# Altium PCB SSTelescope.PcbDoc
Units mm, origin at the board's own origin, x right, y up, seen from the top; angles counter-clockwise.
Board outline 100.1 x 50.1 mm, 2 copper layers (Top Layer, Bottom Layer); 68 components, 82 nets, 332 pads, 87 vias.
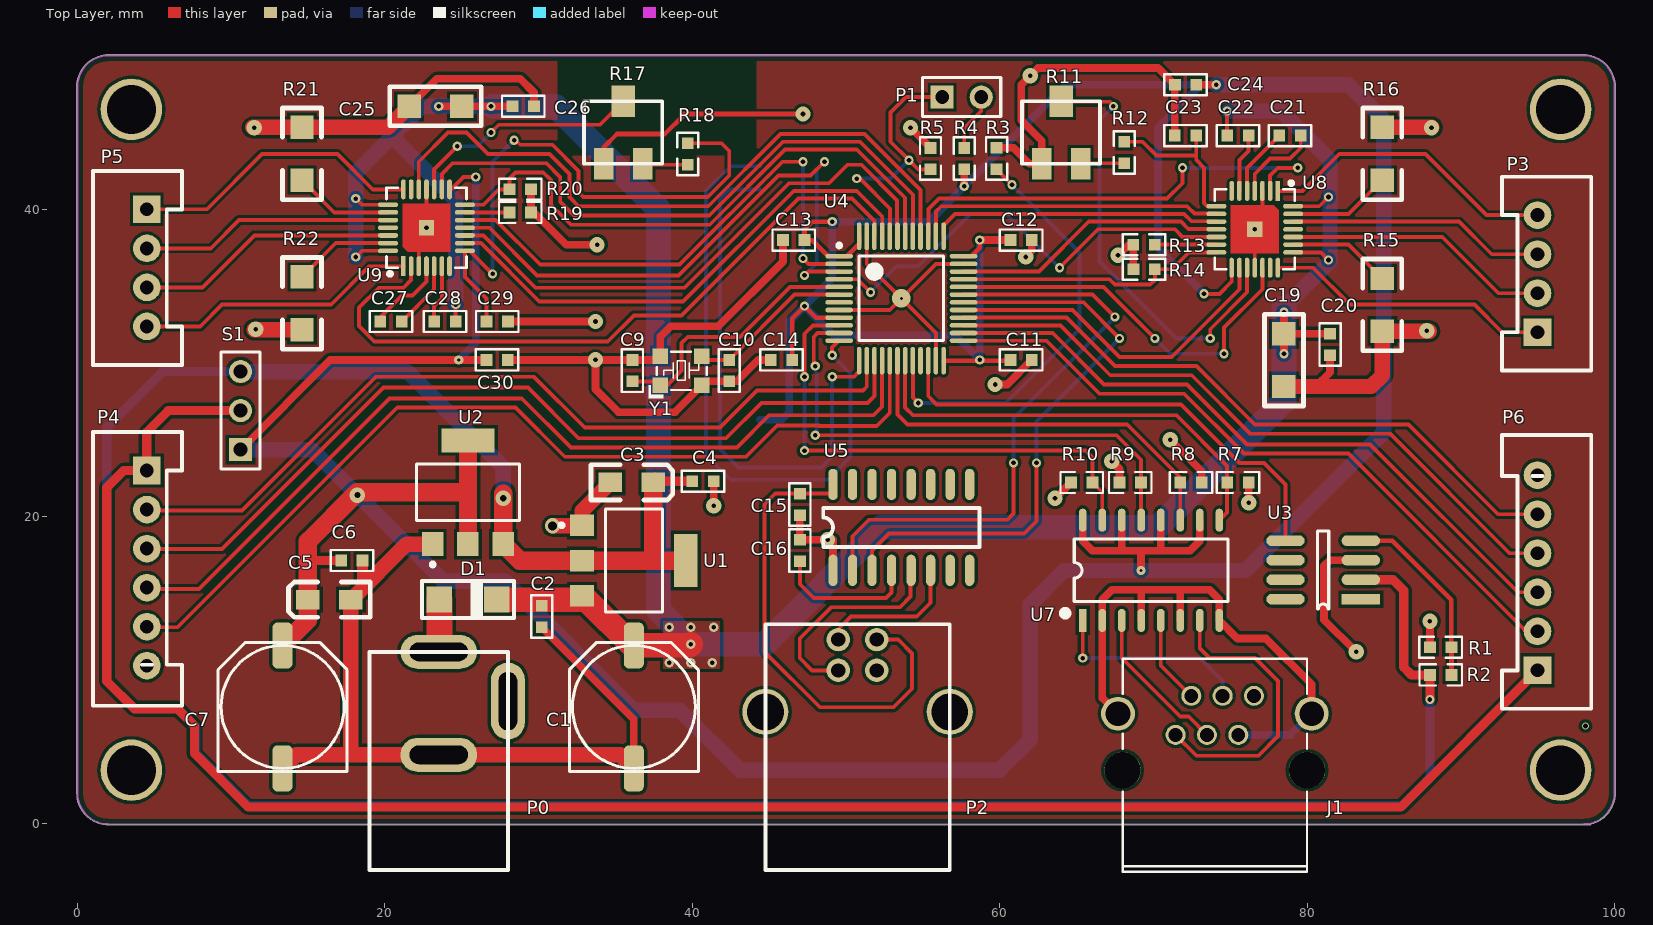
[diagram p0: Top Layer view]
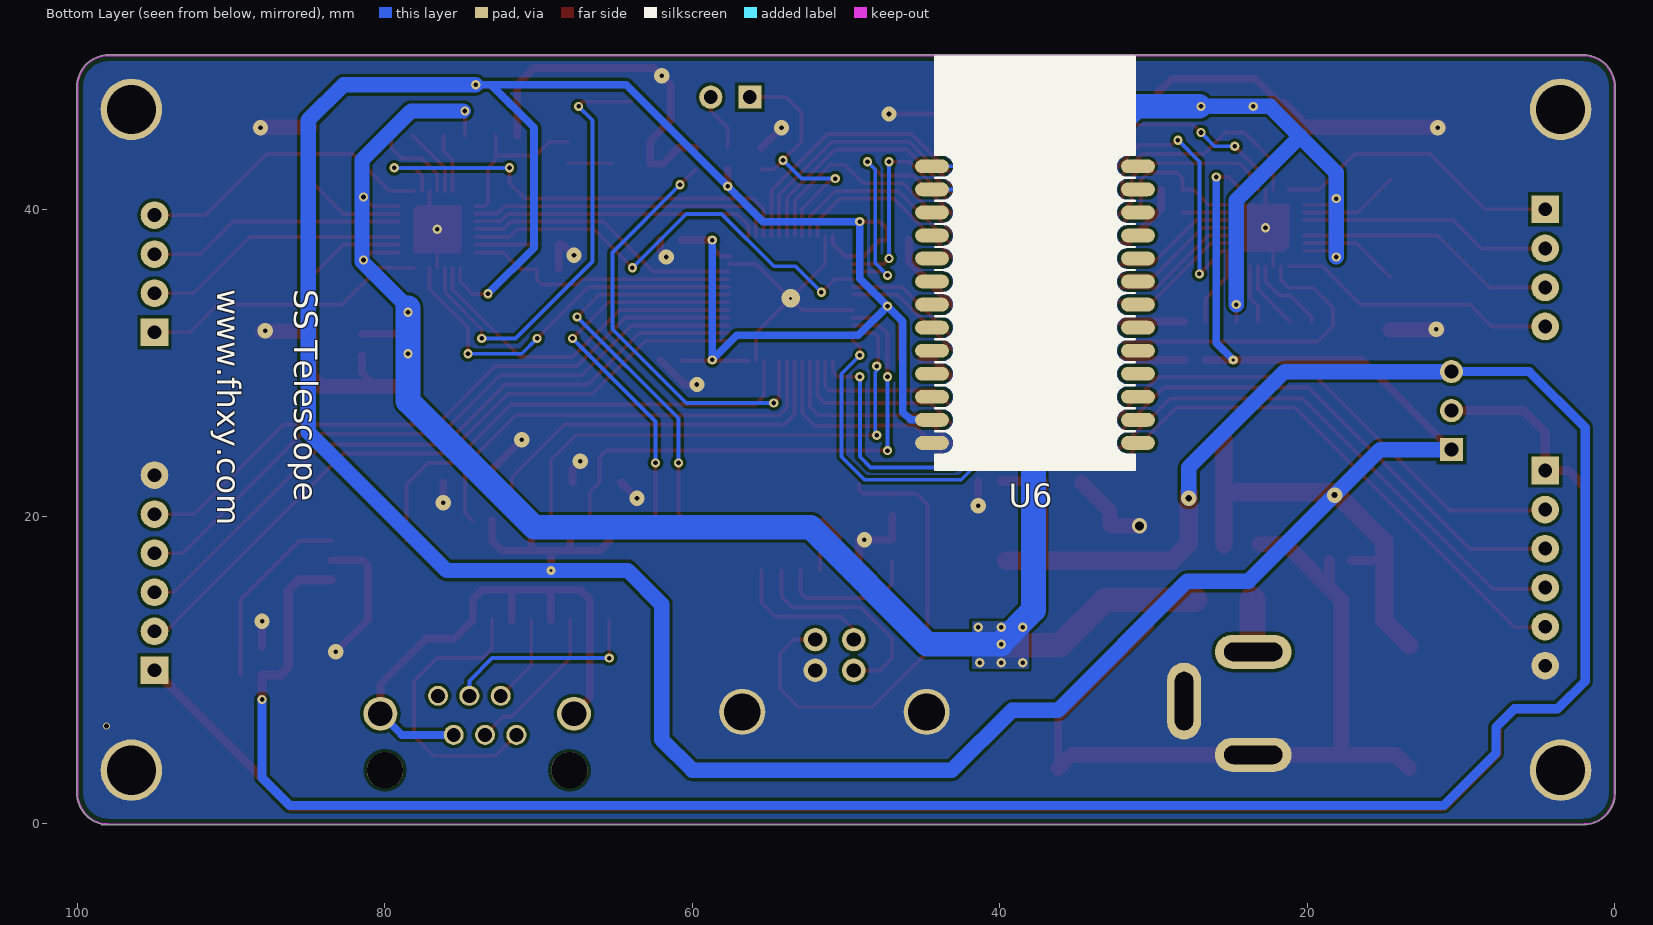
[diagram p1: Bottom Layer view, seen from below]

## Layer stack, top to bottom
Top Solder: solder mask 0.0102, Solder Resist, Dk 3.5
Top Layer: signal copper 0.0356
Dielectric1: dielectric 0.32, FR-4, Dk 4.8
Bottom Layer: signal copper 0.0356
Bottom Solder: solder mask 0.0102, Solder Resist, Dk 3.5

## Board outline
-0.05,2 ccw(c2,2) 2,-0.05 ccw(c2,0) 2,-0.05 98.425,-0.053 ccw(c98.425,-0.003) 98.475,-0.003 ccw(c98.425,-0.003) 98.475,0.005 ccw(c98,2) 100.05,2 ccw(c100,2) 100.05,2.001 100.05,48 ccw(c98,48) 98,50.05 2,50.05 ccw(c2,48) -0.05,48

## Design rules (kind name [scope] priority, off if disabled: settings)
Clearance keepout [IsKeepOut] p1: gap=0.3
Clearance U8 [InComponent('U8')] p2: gap=0.2
Clearance U4 [InComponent('U4')] p3: gap=0.2
Clearance [All] p4: gap=0.2
ComponentClearance [All] p1 off: gap=0.254 collisioncheckmode=3 verticalgap=0.254 showdistances=FALSE
DiffPairsRouting [All] p1: maxlimit=0.3 minlimit=0.3 mostfreqgap=0.3 toplayer_minwidth=0.2 toplayer_maxwidth=0.2 toplayer_prefwidth=0.2 bottomlayer_minwidth=0.2 bottomlayer_maxwidth=0.2 bottomlayer_prefwidth=0.2 maxuncoupledlength=12.7
Height [All] p1 off: minheight=0 maxheight=25.4 prefheight=12.7
HoleSize [All] p1 off: absolutevalues=TRUE maxlimit=2.54 minlimit=0.025 maxpercent=80.000 minpercent=20.000
HoleToHoleClearance [All] p1 off: gap=0.254 allowstackedmicrovias=TRUE
LayerPairs [All] p1 off: enforce=TRUE
MinimumSolderMaskSliver [All] p1 off: minsoldermaskwidth=0.254
NetAntennae [All] p1 off: netantennaetolerance=0
PlaneConnect [All] p1: planeconnectstyle=Direct reliefexpansion=0.508 reliefentries=4 reliefconductorwidth=0.254 reliefairgap=0.254
PolygonConnect [All] p1: connectstyle=Direct reliefconductorwidth=0.254 reliefentries=4 polygonreliefangle="90 Angle" airgapwidth=0.254
RoutingVias [All] p1: holewidth=0.5 width=0.8 viastyle="Through Hole" minholewidth=0.3 minwidth=0.5 maxholewidth=0.5 maxwidth=0.8
SilkToSilkClearance [All] p1 off: silktosilkclearance=0.254
SilkToSolderMaskClearance [IsPad] p1 off: minsilkscreentomaskgap=0.254 clearancetoexposedcopper=TRUE
SolderMaskExpansion [All] p1: expansion=0.102
Width [All] p1: maxlimit=3 minlimit=0.2 preferedwidth=0.25
18 further rules are at their usual default settings.

## Classes and differential pairs
component class PartA: C1 C2 C3 C4 C5 C6 C7 C9 C10 C11 C12 C13 C14 D1 K1 P0 P1 R1 R2 R3 R4 R5 U1 U2 U3 U4 Y1 Y2
component class PartB: C15 C16 C31 C33 C34 C35 C36 C37 C38 J1 P2 P7 R7 R8 R9 R10 U5 U6 U7 U10 U11
component class PartC: C19 C20 C21 C22 C23 C24 C25 C26 C27 C28 C29 C30 P3 P4 P5 P6 R11 R12 R13 R14 R15 R16 R17 R18 R19 R20 R21 R22 S1 U8 U9

## Components (designator, comment, footprint, x,y, rotation, side; value= is the part's Value field where it differs from the comment)
C1 "470uF" CAP8 36.195,7.62 r270 top locked
C2 "100nF" 0603C 30.2,12.8 r90 top
C3 "10uF" 3216 37.465,22.225 r0 top
C4 "100nF" 0603C 41.4,22.3 r180 top
C5 "10uF" 3216 14.986,14.605 r180 top
C6 "100nF" 0603C 18.542,17.145 r180 top
C7 "1000uF" CAP8 13.335,7.62 r270 top locked
C9 "20pF" 0603C 36.1,28.803 r90 top
C10 "20pF" 0603C 42.4,30.2 r270 top
C11 "100nF" 0603C 62.097,30.2 r180 top
C12 "100nF" 0603C 62.097,38 r180 top
C13 "100nF" 0603C 45.903,38 r0 top
C14 "100nF" 0603C 45.1,30.2 r0 top
C15 "100nF" 0603C 47,20.1 r90 top
C16 "100nF" 0603C 47,18.497 r270 top
C19 "1uF" 1206C 78.5,31.9 r270 top
C20 "100nF" 0603C 81.5,30.503 r90 top
C21 "22nF" 0603C 78.2,44.8 r0 top
C22 "100nF" 0603C 76.2,44.8 r180 top
C23 "2.2~4.7uF" 0603C 71.4,44.8 r0 top
C24 "100nF" 0603C 71.403,48.1 r0 top
C25 "1uF" 1206C 25,46.7 r180 top
C26 "100nF" 0603C 29.697,46.7 r180 top
C27 "22nF" 0603C 21.097,32.7 r180 top
C28 "100nF" 0603C 23.2,32.7 r0 top
C29 "2.2~4.7uF" 0603C 28,32.7 r180 top
C30 "100nF" 0603C 27.997,30.2 r180 top
D1 "M7" DO-214AC 25.4,14.605 r0 top
J1 "RJ11" RJ11 74,4 r0 top locked
P0 "SOURCE" DC_5.5MM 19,-3 r90 top locked
P1 "BOOT0" HDR1X2 56.26,47.3 r0 top
P2 "USB-B" USB-B 52,12 r90 top locked
P3 "Header 4" XH_4_V 95,32 r90 top
P4 "Header 6" XH_6_V 4.5,23 r270 top locked
P5 "Header 4" XH_4_V 4.5,40 r270 top locked
P6 "Header 6" XH_6_V 95,10 r90 top locked
R1 "2K" 0603R 88,11.5 r0 top
R2 "4.7K" 0603R 89.4,9.7 r180 top
R3 "10K" 0603R 59.8,44 r270 top
R4 "4.7K" 0603R 57.7,42.6 r90 top
R5 "10K" 0603R 55.5,42.6 r90 top
R7 "10K" 0603R 76.2,22.225 r180 top
R8 "10K" 0603R 73.15,22.225 r180 top
R9 "10K" 0603R 67.8,22.225 r0 top
R10 "10K" 0603R 64.643,22.225 r0 top
R11 "RPot" VR_SMD 64,45 r0 top
R12 "20K" 0603R 68.1,44.4 r270 top (schematic designator 12)
R13 "20K" 0603R 68.7,37.7 r0 top
R14 "20K" 0603R 68.703,36.1 r0 top
R15 "0.18Ω" 1206R 84.9,32.071 r90 top locked
R16 "0.18Ω" 1206R 84.9,45.329 r270 top locked
R17 "RPot" VR_SMD 35.5,45 r0 top
R18 "20K" 0603R 39.7,44.297 r270 top
R19 "20K" 0603R 29.497,39.8 r180 top
R20 "20K" 0603R 29.497,41.3 r180 top
R21 "0.18Ω" 1206R 14.6,45.329 r270 top locked
R22 "0.18Ω" 1206R 14.6,32.171 r90 top locked
S1 "POWSWITCH" HDR1X3 10.6,24.36 r90 top
U1 "AMS1117-5.0" SOT223 36.195,17.145 r270 top
U2 "AMS1117-3.3" SOT223 25.4,21.59 r0 top
U3 "MAX813LCSA" SOP-8 83.5,14.63 r180 top
U4 "STM32F103C8T6" LQFP48_N 53.6,34.2 r270 top locked
U5 "CH340C" SO-16 49.155,16.51 r90 top
U6 "HC08" HC-05/06/08V15 37.7,33.8 r90 bottom
U7 "TLP280-4" SOP16N_L 69.85,16.51 r90 top
U8 "TMC2208" "QFN28 5x5_M" 76.6,38.7 r180 top locked
U9 "TMC2208" "QFN28 5x5_M" 22.7,38.8 r0 top locked
Y1 "8MHz" X3225 37.945,28.52 r0 top

## Footprints (in the part's own frame and the unit in brackets; to place one, negate y for a bottom-side part, rotate by r counter-clockwise, add the part's x,y. Pads: shape width x height; smd on the part's side, far side on the other; paste and mask are expansions set on the pad)
0603C [mil]
  rect 30x30 smd: 1(0,0) 2(55,0)
  silkscreen extent -27,-27 82,27, body extent -4,-16 59,16, height 12
0603R [mil]
  rect 30x30 smd: 1(0,0) 2(55,0)
  silkscreen extent -27,-27 82,27, body extent -4,-18 58,16, height 18
1206C [mil]
  rect 60x60 smd: 1(0,0) 2(135,0)
  silkscreen extent -50,-50 185,50, body extent 6,-33 132,30, height 40
1206R [mil]
  rect 60x60 smd: 1(0,0) 2(135,0)
  silkscreen extent -50,-50 185,50, body extent 5,-32 131,31, height 22
3216 [mil]
  rect 60x50 smd: 1(0,0) 2(-110,0)
  silkscreen extent -160,-45 50,45, body extent -151,-35 38,36, height 73
CAP8 [mm] "直径8mm（蒜米工坊）"
  rrect50% 3x1.3 smd: 1(-4,0) 2(4,0)
  silkscreen extent -4.2,-4.2 4.2,4.2, body extent -4.52,-4.22 4.48,4.08, height 10.5
DC_5.5MM [mm]
  oval 2.2x5 hole 1.2 slot 3.8 at 90 deg: 1(14.2,-4.5) 2(7.5,-4.5)
  oval 5x2.2 hole 1.2 slot 3.8 at 0 deg: 3(11,-9)
  silkscreen extent 0,-9 14.2,0, body extent -0.1,-8.88 14.1,-0.12, height 10.82
DO-214AC [mm]
  rect 1.655x1.67 smd: 1(1.865,0) 2(-1.865,0)
  silkscreen extent -3,-1.2 3,1.2, body extent -2.74,-1.4 2.74,1.4, height 2.3
HC-05/06/08V15 [mm]
  oval 0.9x2.2 smd: 1(9,6.7) 2(7.5,6.7) 3(6,6.7) 4(4.5,6.7) 5(3,6.7) 6(1.5,6.7) 7(0,6.7) 8(-1.5,6.7) 9(-3,6.7) 10(-4.5,6.7) 11(-6,6.7) 12(-7.5,6.7) 13(-9,6.7) 22(-9,-6.7) 23(-7.5,-6.7) 24(-6,-6.7) 25(-4.5,-6.7) 26(-3,-6.7) 27(-1.5,-6.7) 28(0,-6.7) 29(1.5,-6.7) 30(3,-6.7) 31(4.5,-6.7) 32(6,-6.7) 33(7.5,-6.7) 34(9,-6.7)
  silkscreen extent -10.75,-6.5 16.15,6.5
HDR1X2 [mm] "Connector; Header; 2 Position"
  rect 1.5x1.5 hole 0.9: 1(0,0)
  round 1.5 hole 0.9: 2(2.54,0)
  silkscreen extent -1.27,-1.27 3.81,1.27, body extent -1.27,-1.27 3.81,1.27, height 7.58
HDR1X3 [mm] "Connector; Header; 3 Position"
  rect 1.5x1.5 hole 0.9: 1(0,0)
  round 1.5 hole 0.9: 2(2.54,0) 3(5.08,0)
  silkscreen extent -1.27,-1.27 6.35,1.27, body extent -1.27,-1.27 6.35,1.27, height 7.58
LQFP48_N [mm]
  oval 0.3x1.8 smd: 1(-2.75,-4.05) 2(-2.25,-4.05) 3(-1.75,-4.05) 4(-1.25,-4.05) 5(-0.75,-4.05) 6(-0.25,-4.05) 7(0.25,-4.05) 8(0.75,-4.05) 9(1.25,-4.05) 10(1.75,-4.05) 11(2.25,-4.05) 12(2.75,-4.05) 25(2.75,4.05) 26(2.25,4.05) 27(1.75,4.05) 28(1.25,4.05) 29(0.75,4.05) 30(0.25,4.05) 31(-0.25,4.05) 32(-0.75,4.05) 33(-1.25,4.05) 34(-1.75,4.05) 35(-2.25,4.05) 36(-2.75,4.05)
  oval 1.8x0.3 smd: 13(4.05,-2.75) 14(4.05,-2.25) 15(4.05,-1.75) 16(4.05,-1.25) 17(4.05,-0.75) 18(4.05,-0.25) 19(4.05,0.25) 20(4.05,0.75) 21(4.05,1.25) 22(4.05,1.75) 23(4.05,2.25) 24(4.05,2.75) 37(-4.05,2.75) 38(-4.05,2.25) 39(-4.05,1.75) 40(-4.05,1.25) 41(-4.05,0.75) 42(-4.05,0.25) 43(-4.05,-0.25) 44(-4.05,-0.75) 45(-4.05,-1.25) 46(-4.05,-1.75) 47(-4.05,-2.25) 48(-4.05,-2.75)
  silkscreen extent -3.57,-4.17 2.75,2.75, body extent -4.5,-4.5 4.5,4.5, height 1.5
"QFN28 5x5_M" [mm] "28脚，长x宽x高：5x5x0.8mm，脚距：0.5mm"
  rect 0.3x1.3 smd: 1(-1.5,-2.5)
  oval 0.3x1.3 smd: 2(-1,-2.5) 3(-0.5,-2.5) 4(0,-2.5) 5(0.5,-2.5) 6(1,-2.5) 7(1.5,-2.5) 15(1.5,2.5) 16(1,2.5) 17(0.5,2.5) 18(0,2.5) 19(-0.5,2.5) 20(-1,2.5) 21(-1.5,2.5)
  oval 1.3x0.3 smd: 8(2.5,-1.5) 9(2.5,-1) 10(2.5,-0.5) 11(2.5,0) 12(2.5,0.5) 13(2.5,1) 14(2.5,1.5) 22(-2.5,1.5) 23(-2.5,1) 24(-2.5,0.5) 25(-2.5,0) 26(-2.5,-0.5) 27(-2.5,-1) 28(-2.5,-1.5)
  rect 1x1 smd: 29(0,0)
  Top Layer region: -1.55,1.55 1.55,1.55 1.55,-1.55 -1.225,-1.55 -1.55,-1.225
  silkscreen extent -2.6,-3.12 2.6,2.6, body extent -2.51,-2.51 2.51,2.51, height 0.75
RJ11 [mm]
  round 1.3 hole 0.9 mask+0.05: 1(2.55,4.34) 2(1.53,1.8) 3(0.51,4.34) 4(-0.51,1.8) 5(-1.53,4.34) 6(-2.55,1.8)
  round 2.2 hole 1.6 mask+0.05: 7(6.3,3.18) 8(-6.3,3.18)
  round 2.36 hole 2.36 unplated mask+0.05: 9(6,-0.5) 10(-6,-0.5)
  silkscreen extent -6,-7.1 6,6.75
SO-16 [mil]
  oval 80x24 smd: 1(0,0) 2(0,-50) 3(0,-100) 4(0,-150) 5(0,-200) 6(0,-250) 7(0,-300) 8(0,-350) 9(220,-350) 10(220,-300) 11(220,-250) 12(220,-200) 13(220,-150) 14(220,-100) 15(220,-50) 16(220,0)
  silkscreen extent 60,-375 160,25, body extent -12,-377 226,29, height 77
SOP16N_L [mm] "10.3*7*1.8mm（长宽高）"
  rect 1.5x0.5 smd: 1(-3.26,4.445)
  oval 1.5x0.5 smd: 2(-3.26,3.175) 3(-3.26,1.905) 4(-3.26,0.635) 5(-3.26,-0.635) 6(-3.26,-1.905) 7(-3.26,-3.175) 8(-3.26,-4.445) 9(3.26,-4.445) 10(3.26,-3.175) 11(3.26,-1.905) 12(3.26,-0.635) 13(3.26,0.635) 14(3.26,1.905) 15(3.26,3.175) 16(3.26,4.445)
  silkscreen extent -2.95,-5 2.03,5.74, body extent -3.5,-5.25 3.5,5.25, height 1.9
SOP-8 [mm]
  rect 2.5x0.7 smd: 1(0,0)
  oval 2.5x0.7 smd: 2(0,-1.27) 3(0,-2.54) 4(0,-3.81) 5(4.9,-3.81) 6(4.9,-2.54) 7(4.9,-1.27) 8(4.9,0)
  silkscreen extent 2.08,-4.44 2.82,0.64, body extent -0.56,-4.44 5.48,0.58, height 1.6
SOT223 [mm] "SOT-223/SC-73; 4 Leads; Body 6.7 x 7.3 mm, inc. leads (LxW max)"
  rect 1.4x1.55 smd: 1(-2.3,-3.375) 2(0,-3.375) 3(2.3,-3.375)
  rect 3.45x1.55 smd: 4(0,3.375)
  silkscreen extent -3.35,-4.82 3.35,1.85, body extent -3.25,-3.53 3.25,3.43, height 1.7
USB-B [mm]
  round 1.524 hole 0.92: 1(0,0) 2(0,2.5) 3(-2,2.5) 4(-2,0)
  round 3 hole 2.4: 5(-4.7,7.25) 6(-4.7,-4.75)
  silkscreen extent -15,-4.75 1,7.25
VR_SMD [mil]
  rect 50x80 smd: 1(-50,-80) 2(50,-80)
  rect 60x80 smd: 3(0,80)
  silkscreen extent -100,-80 100,80
X3225 [mm]
  rect 1x1 smd: 1(-0.025,0.025) 2(2.667,0.025) 3(2.667,1.93) 4(-0.025,1.93)
  silkscreen extent -0.81,-0.84 3,2.21, body extent -0.23,-0.29 2.97,2.21, height 0.72
XH_4_V [mm]
  rect 1.8x1.8 hole 0.9: 1(0,0)
  round 1.8 hole 0.9: 2(2.54,0) 3(5.08,0) 4(7.62,0)
  silkscreen extent -2.5,-3.5 10.12,2.3, body extent -2.39,-3.35 10.01,2.75, height 7
XH_6_V [mm]
  rect 1.8x1.8 hole 0.9: 1(0,0)
  round 1.8 hole 0.9: 2(2.54,0) 3(5.08,0) 4(7.62,0) 5(10.16,0) 6(12.7,0)
  silkscreen extent -2.5,-3.5 15.31,2.3

## Part data
C1: library part C470UF016S, "470UF      16V      CD10X10D5"
C2 C4 C6 C9 C10 C11 C12 C13 C14 C15 C19 C20 C21 C22 C23 C24 C25 C26 C27 C28 C29 C30: library part Cap, "Capacitor"
C3 C5 C7: library part CAP2
C16: library part C
D1: library part Diode, "High Conductance Fast Diode"
P1: library part MHDR1X2, "Header, 2-Pin"
P3 P5: "Header, 4-Pin"
P4 P6: "Header, 6-Pin"
R1 R2 R5 R12 R13 R14 R15 R16 R18 R19 R20 R21 R22: library part RES, "Resistor"
R3 R4 R7 R8 R9 R10: library part R
R11 R17: "Potentiometer"
S1: library part "Header 3H", "Header, 3-Pin, Right Angle"
U1 U2: library part AMS1117
U3: library part MAX813L
U4: "STM32 ARM-based 32-bit MCU Performance Line with 64 kB Flash, 20 kB Internal RAM, -40 to +85癈 Temperature, 48-Pin LQFP, Tray"
U5: library part CH340G, "USB2UART"
U7: "4组光耦"
Y1: library part XTAL_1, "Crystal Oscillator"

## Free pads (board coordinates)
  round 4 hole 3.2 mask+0.05: 0(3.5,46.5) 1(3.5,3.5) 2(96.5,3.5) 3(96.5,46.5)

## Via types
v1: diameter 0.6, hole 0.3, Top Layer to Bottom Layer, 59 vias
v2: diameter 1, hole 0.3, Top Layer to Bottom Layer, 21 vias
v3: diameter 1, hole 0.4, Top Layer to Bottom Layer, 2 vias
v4: diameter 0.6, hole 0.2, Top Layer to Bottom Layer, 2 vias
v5: diameter 1, hole 0.6, Top Layer to Bottom Layer, 1 vias
v6: diameter 1.2, hole 0.2, Top Layer to Bottom Layer, 1 vias
v7: diameter 0.45, hole 0.3, Top Layer to Bottom Layer, 1 vias

## Nets (pads, with @x,y where several pads share a name; then routed paths per layer and width w, separated by ;. In a path a pad name is that pad's centre, name@x,y a point inside that pad or via, vN(x,y) a via of type N, cw(c..) or ccw(c..) an arc to the next point about the centre after c; other vN are vias at no path point)
A1: P3.2 U8.24 | length 17.4
  Top Layer w0.25: U8.24 88.8,38.2 92.46,34.54 P3.2
A2: P3.1 U8.21 | length 18.6
  Top Layer w0.25: U8.21 80.4,36.2 82.8,33.8 90.9,33.8 92.7,32 P3.1
B1: P3.3 U8.26 | length 16.8
  Top Layer w0.25: U8.26 89.9,39.2 92.02,37.08 P3.3
B2: P3.4 U8.1 | length 19.5
  Top Layer w0.25: U8.1 79.7,41.2 82.1,43.6 87.7,43.6 91.68,39.62 P3.4
BOOT0: P1.1 R5.1 U4.44 | length 17.7
  Top Layer w0.25: v1(50.7,42) 50.9,42 52.864,40.036 52.864,38.264 U4.44 ; R5.1 54.7,42.6 v1(54.1,43.2) 52.9,44.4 52.9,46.3 53.9,47.3 P1.1
  Bottom Layer w0.25: v1(50.7,42) 52.9,42 v1(54.1,43.2)
BOOT1: R3.2 U4.20 | length 28
  Top Layer w0.25: U4.20 54.35,27.75 v1(54.7,27.4) ; R3.2 v1@60.8,41.603
  Bottom Layer w0.25: v1(54.7,27.4) 60.4,27.4 65.2,32.2 65.2,37.2 v1(60.8,41.6)
BRX: U4.12 U6.1 | length 40.3
  Top Layer w0.25: v1(49.1,30.5) 49.1,31 U4.12
  Bottom Layer w0.25: U6.1 42.5,42.8 40.9,41.2 40.9,24 42.5,22.4 48.8,22.4 50.3,23.9 50.3,29.3 v1(49.1,30.5)
BTX: U4.13 U6.2 | length 35
  Top Layer w0.25: v1(49.1,29.1) 50.5,29.1 50.85,29.45 U4.13
  Bottom Layer w0.25: U6.2 42.4,41.3 41.8,40.7 41.8,24.4 43,23.2 48.4,23.2 49.1,23.9 v1(49.1,29.1)
D3V3: C5.1 C6.2 C7.1 C11.2 C12.2 C13.2 C14.2 C24.2 C30.2 R4.1 S1.1 U2.2 U2.4 U4.1 U4.9 U4.24 U4.36 U4.48 U6.12 U7.10 U7.12 U7.14 U7.16 U8.15 U9.15 | length 315.1
  Top Layer w0.25: U9.15 24.3,41.3 25.1,42.1 v1(25.9,42.1) ; v1(73.3,34.5) 74.3,34.5 75.1,35.3 U8.15
  Top Layer w0.3: C14.2 46.497,32.897 v1(47.3,33.7) 48.05,32.95 U4.9 ; v1(49.1,39.2) 47.8,39.2 47.3,38.7 C13.2 47.8,38 48.85,36.95 U4.1 50.05,36.95 50.85,37.75 U4.48 U4.48@50.85,38.3 ; U4.24 C11.2@60.7,30.15 ; U4.36@57.55,36.95 U4.36 58.15,36.95 58.7,37.5 v1(58.7,38)
  Top Layer w0.5: S1.1 16.44,30.2 v4(24.8,30.2) C30.2 ; v1(57.7,41.5) R4.1 ; v1(58.7,38) C12.2 ; v4(69.2,16.5) 69.2,17.78 ; C24.2 v1(74.1,48.1)
  Top Layer w0.508: U7.16 65.405,18.415 66.04,17.78 67.945,17.78 ; U7.14 67.945,17.78 ; U7.12 70.485,17.78 ; U7.10 73.025,18.415 72.39,17.78 70.485,17.78 ; 67.945,17.78 69.2,17.78 70.485,17.78
  Top Layer w0.6: 14.986,17.145 C6.2
  Top Layer w1.2: C7.1 14.986,13.271 C5.1 14.986,17.145 14.986,18.386 18.19,21.59 25.4,21.59 ; U2.2 25.4,21.59 ; U2.4 25.4,21.59
  Bottom Layer w0.5: v4(24.8,30.2) 25.9,31.3 v1(25.9,42.1) ; U6.12 45.8,26.3 46.3,26.8 46.3,32.7 v1(47.3,33.7) ; v1(58.7,38) v1(58.7,30.2) 57.1,31.8 49.2,31.8 v1(47.3,33.7) ; v1(73.3,34.5) 70.3,37.5 70.3,45.3 73.1,48.1 ; v1(74.1,48.1) 73.1,48.1 ; v1(47.3,33.7) 49.1,35.5 v1(49.1,39.2) 55.4,39.2 v1(57.7,41.5) 64.3,48.1 73.1,48.1
  Bottom Layer w1: S1.1 15.24,24.36 v3(18.2,21.4) 23.8,15.8 27.8,15.8 36.2,7.4 39.2,7.4 43.1,3.5 60,3.5 62,5.5 62,14.3 64.2,16.5 v4(69.2,16.5) 76,16.5 85,25.5 85,45.8 82.7,48.1 v1(74.1,48.1)
D5V0: C3.1 C4.2 R2.2 S1.3 U1.2 U1.4 U2.3 U3.2 | length 180
  Top Layer w0.6: C3.1@37.3,22.3 C3.1@37.54,22.3 ; C3.1 C3.1@37.54,22.3 ; C3.1@37.592,22.592 37.592,22.352 C3.1@37.54,22.3 ; C4.2@39.9,22.3 C3.1@37.54,22.3 ; U3.2 85.6,15.9 86.3,15.2 86.3,10.2 86.8,9.7 R2.2@88,9.7 ; v1(88,8.1) 88,9.697 R2.2
  Top Layer w1.2: v3@27.7,21.5 U2.3 28.77,17.145 U1.2 37.465,17.145 ; C3.1 37.465,17.145 ; U1.4 37.465,17.145
  Bottom Layer w0.6: S1.3 5.54,29.44 1.9,25.8 1.9,9.3 3.7,7.5 6.5,7.5 7.7,6.3 7.7,4.6 11.1,1.2 86.2,1.2 88,3 v1(88,8.1)
  Bottom Layer w1: S1.3 21.46,29.44 27.7,23.2 v3(27.7,21.2)
D12V0: C1.1 C2.2 C19.1 C20.2 C22.2 C25.1 C26.2 C28.2 D1.1 U1.3 U8.22 U8.28 U9.22 U9.28 | length 178.2
  Top Layer w0.25: v1(18.1,36.9) 18.5,37.3 U9.28 ; v1(18.1,40.7) 18.5,40.3 U9.22 ; C28.2 24.597,33.797 v1(24.6,33.8) ; v1(74.8,46.4) 74.803,46.397 C22.2 ; U8.22 80.9,37.2 v1(81.4,36.7) ; U8.28 80.8,40.2 v1(81.4,40.8)
  Top Layer w0.5: v1(23.5,46.7) C25.1 v1(26.9,46.7) C26.2 ; v1(78.5,30.6) C19.1 ; v1(78.5,33.3) C19.1 ; C20.2 C19.1
  Top Layer w0.6: C1.1 C1.1@36.258,11.557
  Top Layer w1.6: D1.1 33.095,14.605 C1.1@36.08,11.62 ; C1.1 39.82,11.62 v1(39.9,11.7)
  Bottom Layer w1: v1(18.1,36.9) v1(18.1,40.7) 18.1,42.4 20.45,44.75 ; v1(24.6,33.8) 24.6,40.6 20.45,44.75 ; v1(26.9,46.7) v1(23.5,46.7) 22.4,46.7 20.45,44.75 ; v1@74.9,46.4 78.3,46.4 81.5,43.2 81.5,36.6 78.5,33.6
  Bottom Layer w1.6: v1@27,46.7 31.1,46.7 37.8,40 37.8,13.9 v1@40,11.7 ; v1(39.9,11.7) v1@40,11.7 ; 78.5,33.6 v1(78.5,33.3) v1(78.5,30.6) 78.5,27.5 70.3,19.3 52.3,19.3 44.7,11.7 v1@40,11.7
  other v1: 38.5,10.5 39.9,10.5 41.3,10.5 38.5,12.8 39.9,12.8 41.4,12.8
D+: R9.2 U4.11 U7.13 | length 34.6
  Top Layer w0.25: v1(48,25.3) 47.9,25.3 67.6,25.3 69.197,23.703 R9.2 69.197,19.788 U7.13 ; v1(48,29.8) 47.9,29.8 47.9,31.7 48.15,31.95 U4.11
  Bottom Layer w0.25: v1(48,25.3) 47.9,25.3 48.1,25.5 48.1,29.4 47.9,29.6 47.9,29.7 v1(48,29.8)
D-: R8.2 U4.18 U7.11 | length 26.4
  Top Layer w0.25: U4.18 53.35,26.65 54,26 68.3,26 71.753,22.547 R8.2 71.753,19.772 U7.11
DIAG: U4.34 U8.11 | length 18
  Top Layer w0.25: U4.34 62.55,35.95 65.8,39.2 71.8,39.2 72.275,38.725 74.075,38.725 U8.11
DIR: U4.32 U8.19 | length 25.5
  Top Layer w0.25: U4.32 66.75,34.95 v1(70.1,31.6) ; v1@74.6,30.5 v1(74.6,30.6) 74.6,32.3 77.1,34.8 U8.19
  Bottom Layer w0.25: v1(70.1,31.6) 71.1,30.6 v1(74.6,30.6)
EN: U4.39 U8.2 | length 30.5
  Top Layer w0.25: U4.39 55.375,38.275 55.375,40.011 56.064,40.7 70.9,40.7 71.9,41.7 v1(71.9,42.7) ; U8.2 77.6,42.2 78.1,42.7 v1(79.4,42.7)
  Bottom Layer w0.25: v1(71.9,42.7) v1(79.4,42.7)
GND: C1.2 C2.1 C3.2 C4.1 C5.2 C6.1 C7.2 C9.2 C10.2 C11.1 C12.1 C13.1 C14.1 C15.1 C16.1 C19.2 C20.1 C23.1 C24.1 C25.2 C26.1 C29.1 C30.1 P0.2 P0.3 P2.4 P2.5 P2.6 P4.6 P6.6 pad.0 pad.1 pad.2 pad.3 R1.1 R3.1 R5.2 R7.1 R8.1 R9.1 R10.1 R11.1 R13.1 R14.1 R15.1 R16.1 R17.1 R19.1 R20.1 R21.1 R22.1 U1.1 U2.1 U3.3 U4.8 U4.23 U4.35 U4.47 U5.1 U6.13 U8.3 U8.18 U8.29 U9.3 U9.18 U9.29 Y1.2 Y1.4 | length 256.2
  Top Layer w0.25: U9.3 22.2,38.3 v1(22.7,38.8) U9.18 ; U4.8 52.85,33.45 v6(53.6,34.2) ; U4.47 51.35,36.45 v6(53.6,34.2) ; U4.23 55.85,31.95 v6(53.6,34.2) ; U4.35 55.85,36.45 v6(53.6,34.2) ; U8.18 v1(76.6,38.7) 77.1,39.2 U8.3
  Top Layer w0.3: R17.1 34.23,44.03 35.1,44.9 38.2,44.9 39.4,46.1 ; 39.3,46.2 v2(47.2,46.2)
  Top Layer w0.5: C25.2 23.371,48.5 28.8,48.5 29.697,47.603 C26.1 ; C30.1 32.8,30.2 C9.2 37.669,30.2 Y1.4 37.92,31.72 38.6,32.4 41.7,32.4 45.903,36.603 C13.1 ; C29.1 v2(33.7,32.7) ; R20.1 29.497,40.003 31.8,37.7 v2(33.8,37.7) ; C2.1 36.195,6.805 C1.2 ; v2(33.7,30.2) 33.7,28.3 35.2,26.8 38.867,26.8 Y1.2 40.87,28.803 C10.2 42.903,28.803 44.3,30.2 C14.1 ; v2(41.4,20.7) C4.1 ; C15.1 C16.1 49.155,18.497 U5.1 ; v2@54.2,45.297 R5.2 ; v2(59.7,28.6) 60.498,28.6 C11.1 C11.1 ; R3.1 60.9,44 61.932,42.968 R11.1 62.73,44.47 61.4,45.8 61.4,48.1 62.5,49.2 70.303,49.2 C24.1 71.4,48.097 C23.1 ; v2(61.7,36.9) 62.097,37.297 C12.1 ; v2@63.618,21.2 R10.1 ; v2(67.3,23.6) 67.8,23.1 R9.1 ; v2(67.7,37) 68.4,37.7 R13.1 68.703,37.697 R14.1 ; v2(71.1,25) 73.15,22.95 R8.1 ; v2(76.2,20.9) R7.1 ; 80.571,28.471 81.5,29.4 C20.1 ; v2(83.2,11.2) 81.1,13.3 81.1,16.8 81.47,17.17 U3.3 ; R1.1 v2(88,13.2)
  Top Layer w0.7: C5.2 18.542,15.367 C6.1
  Top Layer w1: v2@11.4,45.329 R21.1 20.2,45.329 C25.2 ; v2@11.5,32.171 R22.1 ; C7.2 14.215,4.5 17.7,4.5 ; U2.1 21.415,18.215 17.805,14.605 C5.2 17.78,4.58 17.7,4.5 ; v5(30.9,19.4) 32.775,19.4 U1.1 32.82,20.374 C3.2 ; C1.2 35.315,4.5 P0.2 17.7,4.5 ; C19.2 80.571,28.471 84.171,28.471 84.9,29.2 R15.1 v2@87.971,32.071 ; R16.1 v2@88.129,45.329
  other v2: 48.8,18.5 63.6,21.2 87.8,32.1 11.6,32.2 11.5,45.3 54.2,45.3 88.1,45.3 62,48.7
  other v7: 98.125,6.375
INDEX: U4.4 U8.12 | length 29.7
  Top Layer w0.25: U4.4 50.75,35.45 v1(51.6,34.6) ; v1(63.9,36.2) 66.4,38.7 71.4,38.7 71.9,38.2 U8.12
  Bottom Layer w0.25: v1(51.6,34.6) 53.3,36.3 54.7,36.3 58.1,39.7 60.4,39.7 v1(63.9,36.2)
MS1: U4.38 U8.9 | length 20.2
  Top Layer w0.25: U4.38 55.85,39.85 56.2,40.2 72.2,40.2 72.675,39.725 74.075,39.725 U8.9
MS2: U4.37 U8.10 | length 19
  Top Layer w0.25: U4.37 56.35,38.95 57.1,39.7 72,39.7 72.475,39.225 74.075,39.225 U8.10
NetC16_2: C16.2 U5.4 | length 9.4
  Top Layer w0.25: C16.2 47,15.6 47.9,14.7 52.6,14.7 52.965,15.065 U5.4
NetC21_1: C21.1 U8.5 | length 4.5
  Top Layer w0.25: U8.5 76.1,42.7 C21.1
NetC21_2: C21.2 U8.4 | length 5.6
  Top Layer w0.25: U8.4 76.6,42.3 77.6,43.3 78.9,43.3 79.597,43.997 C21.2
NetC22_1: C22.1 U8.6 | length 3.8
  Top Layer w0.25: U8.6 75.6,43.2 76.2,43.8 C22.1
NetC23_2: C23.2 R12.1 U8.8 | length 10.6
  Top Layer w0.25: R12.1 69.3,44.4 70.2,43.5 72.797,43.5 ; C23.2 72.797,43.5 ; U8.8 73.5,40.2 73.3,40.4 73.3,42.7 72.797,43.203 72.797,43.5
NetC27_1: C27.1 U9.5 | length 4.5
  Top Layer w0.25: C27.1 23.2,34.803 U9.5
NetC27_2: C27.2 U9.4 | length 5.3
  Top Layer w0.25: C27.2 19.7,33 21.1,34.4 21.8,34.4 22.7,35.3 U9.4
NetC28_1: C28.1 U9.6 | length 3.8
  Top Layer w0.25: C28.1 23.2,33.7 23.7,34.2 U9.6
NetC29_2: C29.2 R18.1 U9.8 | length 38.5
  Top Layer w0.25: C29.2 26.603,34.197 25.2,35.6 U9.8 25.5,37.3 v1(27,35.8) ; v1(28.4,44.5) 28.5,44.5 28.8,44.2 30.9,44.2 32.6,42.5 32.6,41.1 32.9,40.8 41,40.8 42.4,42.2 42.4,43.8 41.903,44.297 R18.1
  Bottom Layer w0.25: v1@26.9,35.7 v1(27,35.8) 27,43.1 v1(28.4,44.5)
NetD1_1: D1.2 P0.1 | length 3.4
  Top Layer w1.7: P0.1 23.535,11.235 D1.2
NetDS1_1: 
NetP1_2: P1.2 R4.2 | length 3.8
  Top Layer w0.25: R4.2 57.7,45.3 58.8,46.4 P1.2
NetP2_2: P2.2 U5.6 | length 9.5
  Top Layer w0.25: P2.2 49.5,12.67 50.33,13.5 54.6,13.5 55.5,14.4 U5.6@55.5,16.5
NetP2_3: P2.3 U5.5 | length 14.2
  Top Layer w0.25: P2.3 47.785,10 46.99,10.795 46.99,12.065 49.025,14.1 53.5,14.1 54.2,14.8 U5.5@54.2,16.5
NetP4_1: P4.1 P6.1 S1.2 | length 126
  Top Layer w0.6: P4.1@4.4,23 3,23 1.9,21.9 1.9,9.3 3.7,7.5 6.5,7.5 7.6,6.4 7.6,4.6 11.1,1.1 86.1,1.1 P6.1 ; P4.1 4.5,25.5 5.9,26.9 S1.2
NetR11_2: R11.2 R12.2 | length 2.8
  Top Layer w0.25: R11.2 65.305,43.003 R12.2
NetR13_2: R13.2 U8.13 | length 4
  Top Layer w0.25: R13.2 U8.13
NetR15_2: R15.2 U8.23 | length 6.7
  Top Layer w0.25: U8.23 82.7,37.7 R15.2
NetR16_2: R16.2 U8.27 | length 6.7
  Top Layer w0.25: U8.27 82.7,39.7 R16.2
NetR17_2: R17.2 R18.2 | length 3
  Top Layer w0.254: R17.2 36.838,42.9 R18.2
NetR19_2: R19.2 U9.13 | length 2.9
  Top Layer w0.25: U9.13 R19.2
NetR21_2: R21.2 U9.23 | length 6.5
  Top Layer w0.25: R21.2 16.7,39.8 U9.23
NetR22_2: R22.2 U9.27 | length 6.5
  Top Layer w0.25: R22.2 16.8,37.8 U9.27
OSC_IN: C9.1 U4.5 Y1.1 | length 17.3
  Top Layer w0.25: C9.1 37.662,28.803 Y1.1 38.345,28.545 39.3,29.5 39.3,31.3 39.7,31.7 43.1,31.7 46.35,34.95 U4.5
OSC_OUT: C10.1 U4.6 Y1.3 | length 10.8
  Top Layer w0.25: Y1.3 40.862,30.2 C10.1 46.65,34.45 U4.6
PDN: R14.2 U4.33 U8.14 | length 17.9
  Top Layer w0.25: U4.33 67.15,35.45 67.5,35.1 69.8,35.1 70.1,35.4 R14.2 71.2,36.1 72.3,37.2 U8.14
PFI: R1.2 R2.1 U3.4 | length 12.4
  Top Layer w0.3: U3.4 85.56,18.44 89.397,14.603 R1.2 89.4,11.497 R2.1
PFO: U3.5 U4.22 | length 31.6
  Top Layer w0.25: U4.22 55.35,27.85 55.9,27.3 71.8,27.3 75.6,23.5 77.2,23.5 78.6,22.1 U3.5
R+: R10.2 U4.10 U7.15 | length 33.4
  Top Layer w0.25: v1@47.3,24.2 47.4,24.3 65.6,24.3 66.04,23.86 R10.2 66.675,21.59 U7.15 ; v1(47.3,29.1) 47.3,31.9 47.85,32.45 U4.10
  Bottom Layer w0.25: v1(47.3,24.3) v1(47.3,29.1)
R-: R7.2 U4.19 U7.9 | length 29.3
  Top Layer w0.25: U4.19 53.85,27.1 54.35,26.6 71.5,26.6 74.803,23.297 R7.2 74.803,20.278 U7.9
RESET: U4.7
RXD: U4.30 U5.3 | length 38
  Top Layer w0.25: U5.3 51.695,17.795 52.8,18.9 61.6,18.9 62.4,19.7 v1(62.4,23.5) ; U4.30 65.45,33.95 v1(67.8,31.6)
  Bottom Layer w0.25: v1(62.4,23.5) 62.4,26.2 v1(67.8,31.6)
SPI_MISO: P4.4 U4.16 | length 58.4
  Top Layer w0.25: P4.4@4.5,15.3 7.9,15.3 20.3,27.7 28.9,27.7 32.1,24.5 42.9,24.5 45,26.6 51.8,26.6 52.35,27.15 U4.16
SPI_MOSI: P4.5 U4.17 | length 60.2
  Top Layer w0.25: P4.5@4.5,12.8 6.5,12.8 20.8,27.1 28.5,27.1 31.7,23.9 43.5,23.9 45.525,25.925 48.259,25.925 48.284,25.9 52,25.9 52.85,26.75 U4.17
SPI_NSS: P4.2 U4.14 | length 54.5
  Top Layer w0.25: P4.2@4.6,20.4 10.7,20.4 19.4,29.1 29.7,29.1 33,25.8 41.8,25.8 44.2,28.2 51.1,28.2 51.35,28.45 U4.14
SPI_SCK: P4.3 U4.15 | length 56.5
  Top Layer w0.25: P4.3@4.5,17.9 9.4,17.9 19.9,28.4 29.3,28.4 32.6,25.1 42.2,25.1 44.5,27.4 51.4,27.4 51.85,27.85 U4.15
STEP: U4.29 U8.16 | length 22.4
  Top Layer w0.25: U4.29 64.75,33.45 67.8,30.4 71.2,30.4 75.6,34.8 U8.16
TXD: U4.31 U5.2 | length 39.4
  Top Layer w0.25: U5.2 50.425,18.725 51.5,19.8 60.5,19.8 60.9,20.2 v1(60.9,23.5) ; U4.31 66.05,34.45 v1(67.5,33) v1@67.55,32.95
  Bottom Layer w0.25: v1(60.9,23.5) 60.9,26.4 v1(67.5,33)
VBUS: C15.2 P2.1 U5.16 | length 31.4
  Top Layer w0.254: C15.2@47,21.4 47.1,21.5 48.9,21.5 49.155,21.755 U5.16 ; C15.2 45.397,21.497 44.7,20.8 44.7,11.2 48.3,7.6 53.1,7.6 54.3,8.8 54.3,11.1 53.4,12 P2.1
VREF: R11.3 U8.17 | length 29.1
  Top Layer w0.25: R11.3 64.032,47 67.2,47 67.4,46.8 v1(67.4,46.7) ; v1@73.7,31.5 v1(73.7,31.6) 73.7,32.2 76.1,34.6 U8.17
  Bottom Layer w0.25: v1@67.4,46.8 v1(67.4,46.7) 66.5,45.8 66.5,36.6 71.5,31.6 v1(73.7,31.6)
~A1: P5.2 U9.24 | length 16.5
  Top Layer w0.25: P5.2 8.66,37.46 10.5,39.3 U9.24
~A2: P5.1 U9.21 | length 19.1
  Top Layer w0.25: P5.1 8.4,40 12,43.6 16.9,43.6 19.2,41.3 U9.21
~B1: P5.3 U9.26 | length 17.1
  Top Layer w0.25: P5.3 8.12,34.92 11.5,38.3 U9.26
~B2: P5.4 U9.1 | length 18.3
  Top Layer w0.25: P5.4 7.98,32.38 9.4,33.8 16.5,33.8 19,36.3 U9.1
~D+: J1.4 U7.3 | length 10.2
  Top Layer w0.25: U7.3@67.945,13.335 U7.3 67.945,10.795 71.755,6.985 72.305,6.985 J1.4
~D-: J1.5 U7.5 | length 5.7
  Top Layer w0.25: U7.5 70.485,10.325 J1.5
~DIAG: U4.3 U9.11 | length 38
  Top Layer w0.25: U9.11 26.8,38.8 29.9,35.7 39.109,35.7 45.609,42.2 47.7,42.2 v1(48.6,43.1) ; v1(47.3,35.7) 47.55,35.95 U4.3
  Bottom Layer w0.25: v1(47.3,35.7) 48.1,36.5 48.1,42.6 v1(48.6,43.1)
~DIR: U4.40 U9.19 | length 44.6
  Top Layer w0.25: U9.19 22.2,43.1 24.1,45 25.3,45 26.7,43.6 30.7,43.6 32,42.3 32,40.8 32.6,40.2 41.036,40.2 45.736,44.9 51.2,44.9 54.85,41.25 U4.40
~EN: U4.46 U9.2 | length 45.7
  Top Layer w0.25: U9.2 21.7,35.4 21.2,34.9 19.6,34.9 18.3,33.6 18.3,32.4 19.3,31.4 34.5,31.4 36.2,33.1 39.3,33.1 46.9,40.7 50.4,40.7 51.85,39.25 U4.46
~GND: J1.2 J1.7 J1.8 U7.2 U7.4 U7.6 U7.8 | length 36.3
  Top Layer w0.508: J1.8 66.675,8.205 U7.2 66.675,14.605 67.31,15.24 69.215,15.24 ; U7.4 69.215,15.24 ; U7.6 71.755,15.24 ; J1.7 80.3,9.1 77.335,12.065 75.48,12.065 U7.8 74.295,14.605 73.66,15.24 71.755,15.24 ; 69.215,15.24 71.755,15.24
  Bottom Layer w0.508: J1.2 78.92,5.8 J1.7
~INDEX: U4.2 U9.12 | length 34.8
  Top Layer w0.25: U9.12 26.564,39.3 26.565,39.302 26.935,39.302 26.936,39.3 27.2,39.3 30.1,36.4 39.173,36.4 45.873,43.1 v1(47.2,43.1) ; v1(47.2,36.8) 47.55,36.45 U4.2
  Bottom Layer w0.25: v1(47.2,36.8) v1(47.2,43.1)
~MS1: U4.45 U9.9 | length 33.7
  Top Layer w0.25: U9.9 26.236,37.8 30.036,34 39.4,34 46.6,41.2 50.7,41.2 52.362,39.538 52.362,38.25 U4.45@52.362,38.247
~MS2: U4.43 U9.10 | length 36.1
  Top Layer w0.25: U9.10 26.4,38.3 29.8,34.9 39.5,34.9 46.3,41.7 48.9,41.7 50.1,42.9 51,42.9 53.325,40.575 U4.43@53.325,38.3
~PDN: R20.2 U4.42 U9.14 | length 38.1
  Top Layer w0.25: U9.14 26.4,40.3 27.4,41.3 R20.2 28.1,42 28.5,42.4 30.3,42.4 30.8,41.9 30.8,40.3 32.1,39 41.136,39 46.036,43.9 50.7,43.9 53.85,40.75 U4.42
~R+: J1.3 U7.1 | length 13.1
  Top Layer w0.25: v1(65.405,10.795) U7.1
  Bottom Layer w0.25: v1(65.405,10.795) 73.025,10.795 74.51,9.31 J1.3
~R-: J1.6 U7.7 | length 19.2
  Top Layer w0.25: J1.6 72.805,4.445 76.835,4.445 78.105,5.715 78.105,9.295 76.605,10.795 73.66,10.795 73.025,11.43 U7.7 U7.7@73.025,13.335
~SPI_MISO: P6.4 U4.27 | length 43.5
  Top Layer w0.25: U4.27 63.95,32.45 67.2,29.2 72.5,29.2 76.3,25.4 85.4,25.4 93.18,17.62 P6.4
~SPI_MOSI: P6.5 U4.28 | length 42.6
  Top Layer w0.25: U4.28 64.35,32.95 67.5,29.8 72.8,29.8 76.6,26 86.6,26 92.44,20.16 P6.5
~SPI_NSS: P6.2 U4.25 | length 45.2
  Top Layer w0.25: U4.25 63.05,31.45 66.5,28 72,28 75.9,24.1 82.7,24.1 94.26,12.54 P6.2
~SPI_SCK: P6.3 U4.26 | length 44.3
  Top Layer w0.25: U4.26@57.7,31.947 63.453,31.947 66.8,28.6 72.2,28.6 76.1,24.7 84.1,24.7 93.72,15.08 P6.3
~STEP: U4.41 U9.16 | length 40.4
  Top Layer w0.25: U9.16 23.7,42.3 24.4,43 30.5,43 31.4,42.1 31.4,40.5 32.3,39.6 41.1,39.6 45.9,44.4 50.9,44.4 54.35,40.95 U4.41
~VREF: R17.3 U9.17 | length 15.6
  Top Layer w0.25: U9.17 23.2,42.6 v1@24.65,44.05 ; v1(26.9,45) 27.4,45.5 34,45.5 R17.3@35.5,47
  Bottom Layer w0.25: v1@24.6,44 v1@24.8,44 ; v1(24.7,44.1) 26,44.1 v1(26.9,45)
pads on no net: J1.1 J1.9 J1.10 U3.1 U3.6 U3.7 U3.8 U4.21 U5.7 U5.8 U5.9 U5.10 U5.11 U5.12 U5.13 U5.14 U5.15 U6.3 U6.4 U6.5 U6.6 U6.7 U6.8 U6.9 U6.10 U6.11 U6.22 U6.23 U6.24 U6.25 U6.26 U6.27 U6.28 U6.29 U6.30 U6.31 U6.32 U6.33 U6.34 U8.7 U8.20 U8.25 U9.7 U9.20 U9.25

## Polygon pours and split planes (outlines as drawn)
D12V0 on Top Layer "Top Layer-No Net" (solid, pour order 6): 38.1,13.2 38.1,10.1 41.8,10.1 41.8,13.2
no net on Top Layer "Top Layer-No Net" (solid, pour order 9): 0,0 0,50 0.1,50.1 0.2,50 31.2,50 31.2,43.5 44.2,43.5 44.2,50 100,50 100,0
D12V0 on Bottom Layer "Top Layer-No Net" (solid, pour order 8): 41.8,10.1 41.8,13.2 38.1,13.2 38.1,10.1
GND on Bottom Layer "Top Layer-No Net" (solid, remove dead copper, pour order 7): -0.1,0.1 0,0.2 0,50 31.1,50 31.2,49.9 31.2,43.55 44.15,43.55 44.2,43.6 44.2,50 100.1,50 100,49.9 100,0.1
GND on Top Paste "Top Layer-No Net" (solid, remove dead copper): 0,0 0,49.9 0.1,50 31.1,50 31.1,43.6 31.2,43.5 44.2,43.5 44.2,50 100.1,50 100.1,0.2 99.9,0

## Keep-outs
Keep-Out Layer:
  lines w0.1: 98,0 ccw(c98,2) 100,2 100,48 ccw(c98,48) 98,50 2,50 ccw(c2,48) 0,48 0,2 ccw(c2,2) 2,0 98.425,-0.003

## Silkscreen, mask and mechanical layers (free items; w line width, h text height)
Bottom Overlay:
  text "SS Telescope" at 85.9,34.8 h1.52 r90
  text "www.fhxy.com" at 90.9,34.8 h1.52 r90
Mechanical 2:
  circle w0.01: c96.5,46.5 r2
  circle w0.01: c96.5,46.5 r1.6
  circle w0.01: c96.5,3.5 r2
  circle w0.01: c96.5,3.5 r1.6
  circle w0.01: c3.5,3.5 r2
  circle w0.01: c3.5,3.5 r1.6
  circle w0.01: c3.5,46.5 r2
  circle w0.01: c3.5,46.5 r1.6
  lines w0.01: 0,48 0,50 2,50 ; 1.9,3.5 5.1,3.5 ; 1.9,46.5 5.1,46.5 ; 3.5,1.9 3.5,5.1 ; 3.5,44.9 3.5,48.1 ; 94.9,3.5 98.1,3.5 ; 94.9,46.5 98.1,46.5 ; 96.5,1.9 96.5,5.1 ; 96.5,44.9 96.5,48.1